# Altium PCB PCB1.PcbDoc (part 4 of 6) (continued)
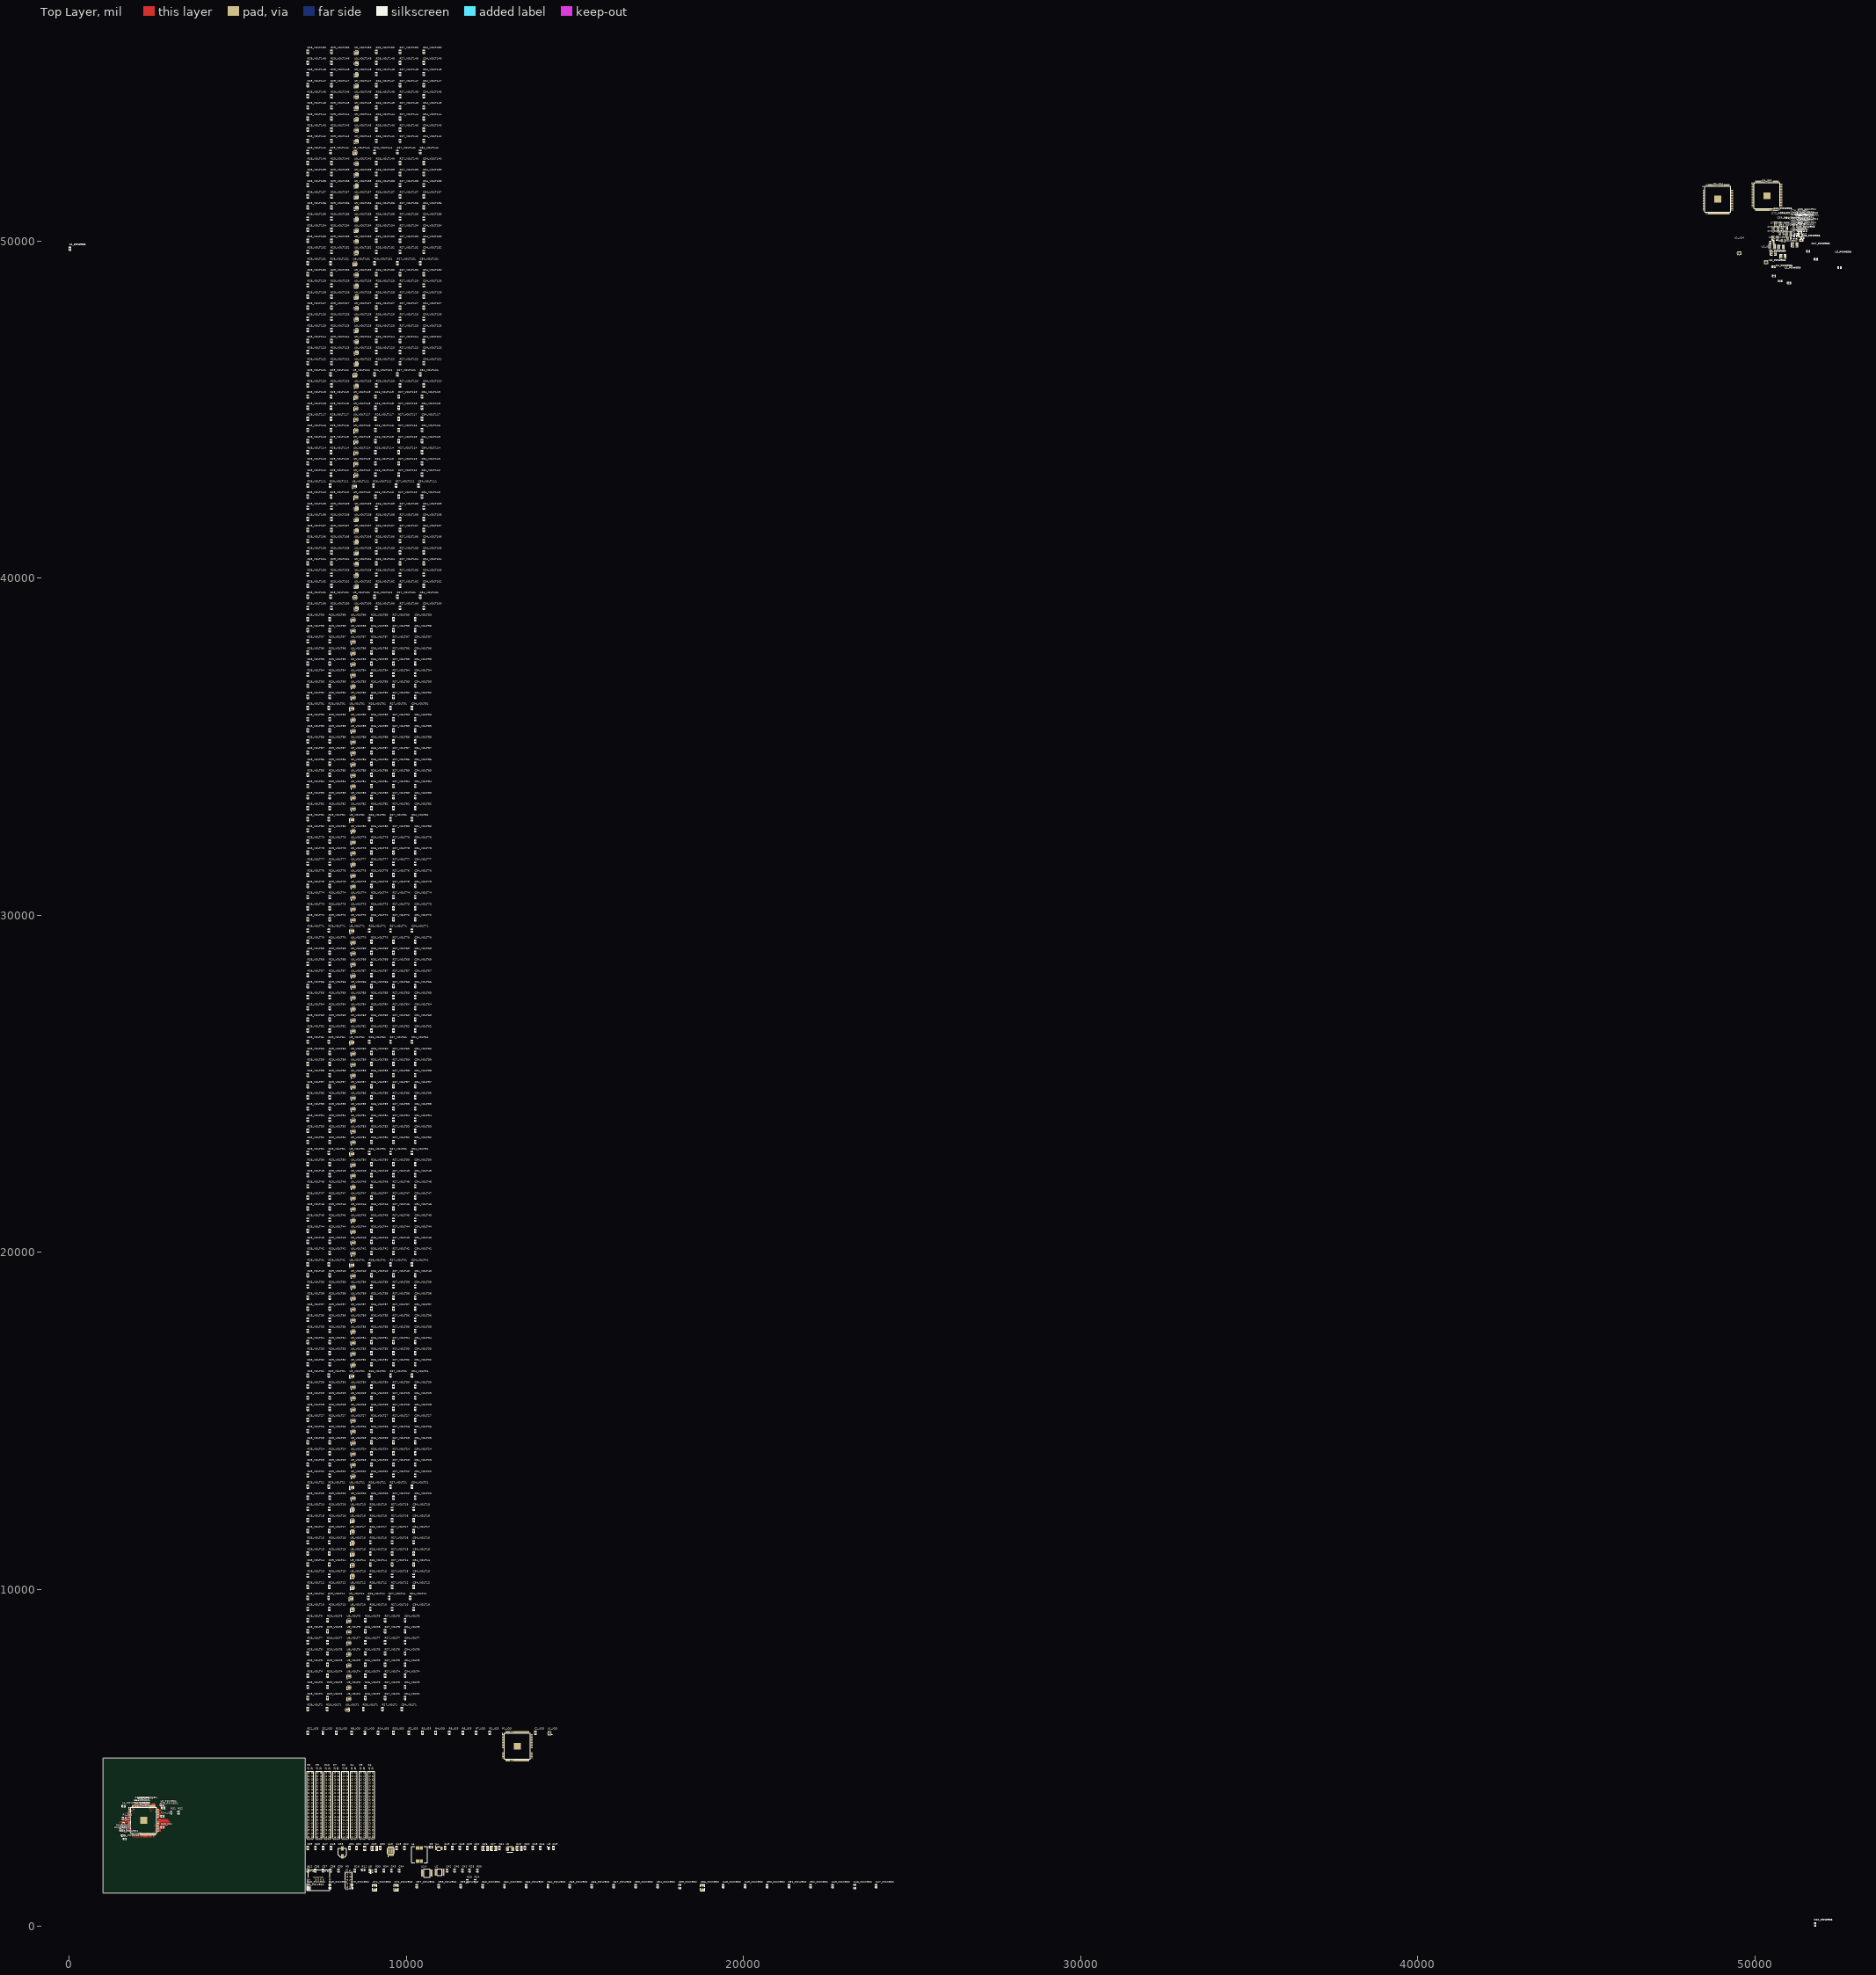
[diagram p0: Top Layer view]
## Part data (continued)
R14_IO1 R14_IO2 R14_IO3 R14_IO4 R20_IO1 R20_IO2 R20_IO3 R20_IO4: library part Res1, "Thick Film Resistors - SMD 1/10Watt 4.7Kohms 5% Commercial Use", Mfr="Vishay / Dale", Mfr Part No=CRCW06034K70JNEAC, Package=0603, Price=0.101, Stockiest=MOUSER, Stockiest Part No=71-CRCW06034K70JNEAC
R15: library part Res1, "Thick Film Resistors - SMD 0603 1% 604Kohm Anti-Sulfur AEC-Q200", Mfr=Panasonic, Mfr Part No=ERJ-U03F6043V, Package=0603, Price=0.221, Stockiest=MOUSER, Stockiest Part No=667-ERJ-U03F6043V
R16: library part Res1, "Thick Film Resistors - SMD 0603 0.25W 1% 20ohm AEC-Q200", Mfr=Panasonic, Mfr Part No=ERJ-UP3F20R0V, Package=0603, Price=0.262, Stockiest=MOUSER, Stockiest Part No=667-ERJ-UP3F20R0V
R17: library part Res1, "Thick Film Resistors - SMD 10K OHM 0.1% 25PPM", Mfr="KOA Speer", Mfr Part No=RS73F1JTTD1002B, Package=0603, Price=0.61, Stockiest=MOUSER, Stockiest Part No=660-RS73F1JTTD1002B
R18: library part Res1, "Thick Film Resistors - SMD 0603 Anti-Surge Res. 0.1%, 40.2Koh", Mfr=Panasonic, Mfr Part No=ERJ-PB3B4022V, Package=0603, Price=0.252, Stockiest=MOUSER, Stockiest Part No=667-ERJ-PB3B4022V
R19: library part Res1, "Thick Film Resistors - SMD 0603 Anti-Surge Res. 0.1%, 7.68Koh", Mfr=Panasonic, Mfr Part No=ERJ-PB3B7681V, Package=0603, Price=0.252, Stockiest=MOUSER, Stockiest Part No=667-ERJ-PB3B7681V
R27_VOLT1 R27_VOLT2 R27_VOLT3 R27_VOLT4 R27_VOLT5 R27_VOLT6 R27_VOLT7 R27_VOLT8 R27_VOLT9 R27_VOLT10 R27_VOLT11 R27_VOLT12 R27_VOLT13 R27_VOLT14 R27_VOLT15 R27_VOLT16 R27_VOLT17 R27_VOLT18 R27_VOLT19 R27_VOLT20 R27_VOLT21 R27_VOLT22 R27_VOLT23 R27_VOLT24 R27_VOLT25 R27_VOLT26 R27_VOLT27 R27_VOLT28 R27_VOLT29 R27_VOLT30 R27_VOLT31 R27_VOLT32 R27_VOLT33 R27_VOLT34 R27_VOLT35 R27_VOLT36 R27_VOLT37 R27_VOLT38 R27_VOLT39 R27_VOLT40 R27_VOLT41 R27_VOLT42 R27_VOLT43 R27_VOLT44 R27_VOLT45 R27_VOLT46 R27_VOLT47 R27_VOLT48 R27_VOLT49 R27_VOLT50 R27_VOLT51 R27_VOLT52 R27_VOLT53 R27_VOLT54 R27_VOLT55 R27_VOLT56 R27_VOLT57 R27_VOLT58 R27_VOLT59 R27_VOLT60 R27_VOLT61 R27_VOLT62 R27_VOLT63 R27_VOLT64 R27_VOLT65 R27_VOLT66 R27_VOLT67 R27_VOLT68 R27_VOLT69 R27_VOLT70 R27_VOLT71 R27_VOLT72 R27_VOLT73 R27_VOLT74 R27_VOLT75 R27_VOLT76 R27_VOLT77 R27_VOLT78 R27_VOLT79 R27_VOLT80 R27_VOLT81 R27_VOLT82 R27_VOLT83 R27_VOLT84 R27_VOLT85 R27_VOLT86 R27_VOLT87 R27_VOLT88 R27_VOLT89 R27_VOLT90 R27_VOLT91 R27_VOLT92 R27_VOLT93 R27_VOLT94 R27_VOLT95 R27_VOLT96 R27_VOLT97 R27_VOLT98 R27_VOLT99 R27_VOLT100 R27_VOLT101 R27_VOLT102 R27_VOLT103 R27_VOLT104 R27_VOLT105 R27_VOLT106 R27_VOLT107 R27_VOLT108 R27_VOLT109 R27_VOLT110 R27_VOLT111 R27_VOLT112 R27_VOLT113 R27_VOLT114 R27_VOLT115 R27_VOLT116 R27_VOLT117 R27_VOLT118 R27_VOLT119 R27_VOLT120 R27_VOLT121 R27_VOLT122 R27_VOLT123 R27_VOLT124 R27_VOLT125 R27_VOLT126 R27_VOLT127 R27_VOLT128 R27_VOLT129 R27_VOLT130 R27_VOLT131 R27_VOLT132 R27_VOLT133 R27_VOLT134 R27_VOLT135 R27_VOLT136 R27_VOLT137 R27_VOLT138 R27_VOLT139 R27_VOLT140 R27_VOLT141 R27_VOLT142 R27_VOLT143 R27_VOLT144 R27_VOLT145 R27_VOLT146 R27_VOLT147 R27_VOLT148 R27_VOLT149 R27_VOLT150 R29_VOLT1 R29_VOLT2 R29_VOLT3 R29_VOLT4 R29_VOLT5 R29_VOLT6 R29_VOLT7 R29_VOLT8 R29_VOLT9 R29_VOLT10 R29_VOLT11 R29_VOLT12 R29_VOLT13 R29_VOLT14 R29_VOLT15 R29_VOLT16 R29_VOLT17 R29_VOLT18 R29_VOLT19 R29_VOLT20 R29_VOLT21 R29_VOLT22 R29_VOLT23 R29_VOLT24 R29_VOLT25 R29_VOLT26 R29_VOLT27 R29_VOLT28 R29_VOLT29 R29_VOLT30 R29_VOLT31 R29_VOLT32 R29_VOLT33 R29_VOLT34 R29_VOLT35 R29_VOLT36 R29_VOLT37 R29_VOLT38 R29_VOLT39 R29_VOLT40 R29_VOLT41 R29_VOLT42 R29_VOLT43 R29_VOLT44 R29_VOLT45 R29_VOLT46 R29_VOLT47 R29_VOLT48 R29_VOLT49 R29_VOLT50 R29_VOLT51 R29_VOLT52 R29_VOLT53 R29_VOLT54 R29_VOLT55 R29_VOLT56 R29_VOLT57 R29_VOLT58 R29_VOLT59 R29_VOLT60 R29_VOLT61 R29_VOLT62 R29_VOLT63 R29_VOLT64 R29_VOLT65 R29_VOLT66 R29_VOLT67 R29_VOLT68 R29_VOLT69 R29_VOLT70 R29_VOLT71 R29_VOLT72 R29_VOLT73 R29_VOLT74 R29_VOLT75 R29_VOLT76 R29_VOLT77 R29_VOLT78 R29_VOLT79 R29_VOLT80 R29_VOLT81 R29_VOLT82 R29_VOLT83 R29_VOLT84 R29_VOLT85 R29_VOLT86 R29_VOLT87 R29_VOLT88 R29_VOLT89 R29_VOLT90 R29_VOLT91 R29_VOLT92 R29_VOLT93 R29_VOLT94 R29_VOLT95 R29_VOLT96 R29_VOLT97 R29_VOLT98 R29_VOLT99 R29_VOLT100 R29_VOLT101 R29_VOLT102 R29_VOLT103 R29_VOLT104 R29_VOLT105 R29_VOLT106 R29_VOLT107 R29_VOLT108 R29_VOLT109 R29_VOLT110 R29_VOLT111 R29_VOLT112 R29_VOLT113 R29_VOLT114 R29_VOLT115 R29_VOLT116 R29_VOLT117 R29_VOLT118 R29_VOLT119 R29_VOLT120 R29_VOLT121 R29_VOLT122 R29_VOLT123 R29_VOLT124 R29_VOLT125 R29_VOLT126 R29_VOLT127 R29_VOLT128 R29_VOLT129 R29_VOLT130 R29_VOLT131 R29_VOLT132 R29_VOLT133 R29_VOLT134 R29_VOLT135 R29_VOLT136 R29_VOLT137 R29_VOLT138 R29_VOLT139 R29_VOLT140 R29_VOLT141 R29_VOLT142 R29_VOLT143 R29_VOLT144 R29_VOLT145 R29_VOLT146 R29_VOLT147 R29_VOLT148 R29_VOLT149 R29_VOLT150: library part Res1, "Thick Film Resistors - SMD 1/10watt 160ohms 1%", Mfr="Vishay / Dale", Mfr Part No=CRCW0603160RFKEA, Package=0603, Price=0.1, Stockiest=MOUSER, Stockiest Part No=71-CRCW0603-160-E3
R45: library part Res1, "Thick Film Resistors - SMD High Precision Flat Chip Resistor 0.1%", Mfr="KOA Speer", Mfr Part No=RS73F1JTTD4123B, Package=0603, Price=0.8, Stockiest=MOUSER, Stockiest Part No=660-RS73F1JTTD4123B
R47: library part Res1, "Thick Film Resistors - SMD 0603 5.23Kohms 1% AEC-Q200", Mfr=Panasonic, Mfr Part No=ERJ-3EKF5231V, Package=0603, Price=0.101, Stockiest=MOUSER, Stockiest Part No=667-ERJ-3EKF5231V
R48: library part Res1, "Thick Film Resistors - SMD 0603 86.6Kohms 1% AEC-Q200", Mfr=Panasonic, Mfr Part No=ERJ-3EKF8662V, Package=0603, Price=0.101, Stockiest=MOUSER, Stockiest Part No=667-ERJ-3EKF8662V
U1_IO1 U1_IO2 U1_IO3 U1_IO4: library part CRYSTAL, "Standard Clock Oscillators 25.0 MHZ 3.3V 50PPM SMD 32", Mfr=ABRACON, Mfr Part No=ASE-25.000MHZ-LC-T, Price=1.42, Stockiest=MOUSER, Stockiest Part No=815-ASE25.000MHZLCT
U2: "RS-232 Interface IC 3-5.5V Mult-Ch RS232", Mfr="Texas Instruments", Mfr Part No=MAX3232CPWR, Price=0.94, Stockiest=MOUSER, Stockiest Part No=595-MAX3232CPWR
U3: "Switching Voltage Regulators High-Efficiency, 3A, 18V, 1200kHz, Synchronous, Step-Down Converter", Mfr="Monolithic Power Systems (MPS)", Mfr Part No=MP2333HGTL-P, Price=1.89, Stockiest=MOUSER, Stockiest Part No=946-MP2333HGTL-P
U4: "Digital Potentiometer ICs Sngl 8B NV I2C Rheo", Mfr="Microchip Technology", Mfr Part No=MCP4562T-503E/MS, Price=0.97, Stockiest=MOUSER, Stockiest Part No=579-MCP4562T-503E/MS
U8: "ESD Suppressors / TVS Diodes LOW CAP TVS ARRAY 5.5V", Mfr="ON SEMI", Mfr Part No=NUP4114HMR6T1G, Price=0.534, Stockiest=MOUSER, Stockiest Part No=863-NUP4114HMR6T1G
U9_VOLT1 U9_VOLT2 U9_VOLT3 U9_VOLT4 U9_VOLT5 U9_VOLT6 U9_VOLT7 U9_VOLT8 U9_VOLT9 U9_VOLT10 U9_VOLT11 U9_VOLT12 U9_VOLT13 U9_VOLT14 U9_VOLT15 U9_VOLT16 U9_VOLT17 U9_VOLT18 U9_VOLT19 U9_VOLT20 U9_VOLT21 U9_VOLT22 U9_VOLT23 U9_VOLT24 U9_VOLT25 U9_VOLT26 U9_VOLT27 U9_VOLT28 U9_VOLT29 U9_VOLT30 U9_VOLT31 U9_VOLT32 U9_VOLT33 U9_VOLT34 U9_VOLT35 U9_VOLT36 U9_VOLT37 U9_VOLT38 U9_VOLT39 U9_VOLT40 U9_VOLT41 U9_VOLT42 U9_VOLT43 U9_VOLT44 U9_VOLT45 U9_VOLT46 U9_VOLT47 U9_VOLT48 U9_VOLT49 U9_VOLT50 U9_VOLT51 U9_VOLT52 U9_VOLT53 U9_VOLT54 U9_VOLT55 U9_VOLT56 U9_VOLT57 U9_VOLT58 U9_VOLT59 U9_VOLT60 U9_VOLT61 U9_VOLT62 U9_VOLT63 U9_VOLT64 U9_VOLT65 U9_VOLT66 U9_VOLT67 U9_VOLT68 U9_VOLT69 U9_VOLT70 U9_VOLT71 U9_VOLT72 U9_VOLT73 U9_VOLT74 U9_VOLT75 U9_VOLT76 U9_VOLT77 U9_VOLT78 U9_VOLT79 U9_VOLT80 U9_VOLT81 U9_VOLT82 U9_VOLT83 U9_VOLT84 U9_VOLT85 U9_VOLT86 U9_VOLT87 U9_VOLT88 U9_VOLT89 U9_VOLT90 U9_VOLT91 U9_VOLT92 U9_VOLT93 U9_VOLT94 U9_VOLT95 U9_VOLT96 U9_VOLT97 U9_VOLT98 U9_VOLT99 U9_VOLT100 U9_VOLT101 U9_VOLT102 U9_VOLT103 U9_VOLT104 U9_VOLT105 U9_VOLT106 U9_VOLT107 U9_VOLT108 U9_VOLT109 U9_VOLT110 U9_VOLT111 U9_VOLT112 U9_VOLT113 U9_VOLT114 U9_VOLT115 U9_VOLT116 U9_VOLT117 U9_VOLT118 U9_VOLT119 U9_VOLT120 U9_VOLT121 U9_VOLT122 U9_VOLT123 U9_VOLT124 U9_VOLT125 U9_VOLT126 U9_VOLT127 U9_VOLT128 U9_VOLT129 U9_VOLT130 U9_VOLT131 U9_VOLT132 U9_VOLT133 U9_VOLT134 U9_VOLT135 U9_VOLT136 U9_VOLT137 U9_VOLT138 U9_VOLT139 U9_VOLT140 U9_VOLT141 U9_VOLT142 U9_VOLT143 U9_VOLT144 U9_VOLT145 U9_VOLT146 U9_VOLT147 U9_VOLT148 U9_VOLT149 U9_VOLT150: "Gate Drivers Dual 1.5A Low Side Gate Driver", Mfr="IXYS Integrated Circuits", Mfr Part No=IX4427MTR, Price=0.97, Stockiest=MOUSER, Stockiest Part No=849-IX4427MTR
U14: "Encoders, Decoders, Multiplexers & Demultiplexers 8-INPUT MULTIPLEXER", Mfr=NEXPERIA, Mfr Part No=74HC151DB,118, Price=0.887, Stockiest=MOUSER, Stockiest Part No=771-HC151DB118
U15: library part TPS61175PWP, "Switching Voltage Regulators 3A High Vltg Boost Converter", Mfr="Texas Instruments", Mfr Part No=TPS61175PWPR, Price=3.06, Stockiest=MOUSER, Stockiest Part No=595-TPS61175PWPR

## Via types
v1: diameter 24, hole 12, Top Layer to Bottom Layer, 66 vias

## Nets (pads, with @x,y where several pads share a name; then routed paths per layer and width w, separated by ;. In a path a pad name is that pad's centre, name@x,y a point inside that pad or via, vN(x,y) a via of type N, cw(c..) or ccw(c..) an arc to the next point about the centre after c; other vN are vias at no path point)
BANK_EN0: P1_IO4.17 U14.11
BANK_EN0_IO1: P1_IO1.17 | length 214.7
  Top Layer w7: 1579,3174 1691.8,3174 1699.57,3181.77 P1_IO1.17@1790.51,3181.77
BANK_EN0_IO2: P1_IO2.17
BANK_EN0_IO3: P1_IO3.17
BANK_EN1: P1_IO4.30 U14.10
BANK_EN1_IO1: P1_IO1.30 | length 77.2
  Top Layer w7: 1713.31,2925.87 P1_IO1.30@1790.51,2925.87
BANK_EN1_IO2: P1_IO2.30
BANK_EN1_IO3: P1_IO3.30
BANK_EN2: P1_IO4.48 U14.9
BANK_EN2_IO1: P1_IO1.48 | length 77.2
  Top Layer w7: 2085.31,2652.28 P1_IO1.48@2085.31,2729.49
BANK_EN2_IO2: P1_IO2.48
BANK_EN2_IO3: P1_IO3.48
C1+: C40.2 U2.1
C1-: C40.1 U2.3
C2+: C43.2 U2.4
C2-: C43.1 U2.5
CMD_INT: J1.3 P1_IO1.61 P1_IO2.61 P1_IO3.61 P1_IO4.61 | length 73.3
  Top Layer w7: P1_IO1.61@2341.22,2729.49 v1(2341.22,2802.78)
CMD_RX: P1_IO1.98 P1_IO2.98 P1_IO3.98 P1_IO4.98 U2.9 | length 77.2
  Top Layer w7: P1_IO1.98@2636.02,3299.88 2713.23,3299.88
CMD_TX: U2.10 U14.5
CMD_TX5: U14.15
CMD_TX6: U14.14
CMD_TX7: U14.13
CMD_TX8: U14.12
CMD_TX_IO1: P1_IO1.96 U14.1 | length 77.2
  Top Layer w7: P1_IO1.96@2636.02,3260.51 2713.23,3260.51
CMD_TX_IO2: P1_IO2.96 U14.2
CMD_TX_IO3: P1_IO3.96 U14.3
CMD_TX_IO4: P1_IO4.96 U14.4
FB: R9.2 R45.2 U15.9
GND: C1_IO1.1 C1_IO2.1 C1_IO3.1 C1_IO4.1 C8_POWER1.2 C8_POWER2.2 C8_POWER3.2 C8_POWER4.2 C9_POWER1.2 C9_POWER2.2 C9_POWER3.2 C9_POWER4.2 C14_POWER1.2 C14_POWER2.2 C14_POWER3.2 C14_POWER4.2 C15_POWER1.2 C15_POWER2.2 C15_POWER3.2 C15_POWER4.2 C16_POWER1.2 C16_POWER2.2 C16_POWER3.2 C16_POWER4.2 C19.1 C20.1 C21.1 C22.1 C26.1 C27.1 C28.1 C29.1 C30.1 C31.1 C32.1 C33.2 C34_VOLT1.2 C34_VOLT2.2 C34_VOLT3.2 C34_VOLT4.2 C34_VOLT5.2 C34_VOLT6.2 C34_VOLT7.2 C34_VOLT8.2 C34_VOLT9.2 C34_VOLT10.2 C34_VOLT11.2 C34_VOLT12.2 C34_VOLT13.2 C34_VOLT14.2 C34_VOLT15.2 C34_VOLT16.2 C34_VOLT17.2 C34_VOLT18.2 C34_VOLT19.2 C34_VOLT20.2 C34_VOLT21.2 C34_VOLT22.2 C34_VOLT23.2 C34_VOLT24.2 C34_VOLT25.2 C34_VOLT26.2 C34_VOLT27.2 C34_VOLT28.2 C34_VOLT29.2 C34_VOLT30.2 C34_VOLT31.2 C34_VOLT32.2 C34_VOLT33.2 C34_VOLT34.2 C34_VOLT35.2 C34_VOLT36.2 C34_VOLT37.2 C34_VOLT38.2 C34_VOLT39.2 C34_VOLT40.2 C34_VOLT41.2 C34_VOLT42.2 C34_VOLT43.2 C34_VOLT44.2 C34_VOLT45.2 C34_VOLT46.2 C34_VOLT47.2 C34_VOLT48.2 C34_VOLT49.2 C34_VOLT50.2 C34_VOLT51.2 C34_VOLT52.2 C34_VOLT53.2 C34_VOLT54.2 C34_VOLT55.2 C34_VOLT56.2 C34_VOLT57.2 C34_VOLT58.2 C34_VOLT59.2 C34_VOLT60.2 C34_VOLT61.2 C34_VOLT62.2 C34_VOLT63.2 C34_VOLT64.2 C34_VOLT65.2 C34_VOLT66.2 C34_VOLT67.2 C34_VOLT68.2 C34_VOLT69.2 C34_VOLT70.2 C34_VOLT71.2 C34_VOLT72.2 C34_VOLT73.2 C34_VOLT74.2 C34_VOLT75.2 C34_VOLT76.2 C34_VOLT77.2 C34_VOLT78.2 C34_VOLT79.2 C34_VOLT80.2 C34_VOLT81.2 C34_VOLT82.2 C34_VOLT83.2 C34_VOLT84.2 C34_VOLT85.2 C34_VOLT86.2 C34_VOLT87.2 C34_VOLT88.2 C34_VOLT89.2 C34_VOLT90.2 C34_VOLT91.2 C34_VOLT92.2 C34_VOLT93.2 C34_VOLT94.2 C34_VOLT95.2 C34_VOLT96.2 C34_VOLT97.2 C34_VOLT98.2 C34_VOLT99.2 C34_VOLT100.2 C34_VOLT101.2 C34_VOLT102.2 C34_VOLT103.2 C34_VOLT104.2 C34_VOLT105.2 C34_VOLT106.2 C34_VOLT107.2 C34_VOLT108.2 C34_VOLT109.2 C34_VOLT110.2 C34_VOLT111.2 C34_VOLT112.2 C34_VOLT113.2 C34_VOLT114.2 C34_VOLT115.2 C34_VOLT116.2 C34_VOLT117.2 C34_VOLT118.2 C34_VOLT119.2 C34_VOLT120.2 C34_VOLT121.2 C34_VOLT122.2 C34_VOLT123.2 C34_VOLT124.2 C34_VOLT125.2 C34_VOLT126.2 C34_VOLT127.2 C34_VOLT128.2 C34_VOLT129.2 C34_VOLT130.2 C34_VOLT131.2 C34_VOLT132.2 C34_VOLT133.2 C34_VOLT134.2 C34_VOLT135.2 C34_VOLT136.2 C34_VOLT137.2 C34_VOLT138.2 C34_VOLT139.2 C34_VOLT140.2 C34_VOLT141.2 C34_VOLT142.2 C34_VOLT143.2 C34_VOLT144.2 C34_VOLT145.2 C34_VOLT146.2 C34_VOLT147.2 C34_VOLT148.2 C34_VOLT149.2 C34_VOLT150.2 C35.1 C36.1 C37.1 C38.1 C39.1 C41.1 C42.1 C44.1 C48_POWER1.2 C48_POWER2.2 C48_POWER3.2 C48_POWER4.2 C49_POWER1.2 C49_POWER2.2 C49_POWER3.2 C49_POWER4.2 C50_POWER1.2 C50_POWER2.2 C50_POWER3.2 C50_POWER4.2 C51_POWER1.2 C51_POWER2.2 C51_POWER3.2 C51_POWER4.2 C52_POWER1.2 C52_POWER2.2 C52_POWER3.2 C52_POWER4.2 C53_POWER1.2 C53_POWER2.2 C53_POWER3.2 C53_POWER4.2 C54_POWER1.2 C54_POWER2.2 C54_POWER3.2 C54_POWER4.2 C55_POWER1.1 C55_POWER2.1 C55_POWER3.1 C55_POWER4.1 C56_POWER1.1 C56_POWER2.1 C56_POWER3.1 C56_POWER4.1 C57_POWER1.2 C57_POWER2.2 C57_POWER3.2 C57_POWER4.2 C58_POWER1.2 C58_POWER2.2 C58_POWER3.2 C58_POWER4.2 C59_POWER1.2 C59_POWER2.2 C59_POWER3.2 C59_POWER4.2 C60_POWER1.2 C60_POWER2.2 C60_POWER3.2 C60_POWER4.2 C61_POWER1.2 C61_POWER2.2 C61_POWER3.2 C61_POWER4.2 C62_POWER1.2 C62_POWER2.2 C62_POWER3.2 C62_POWER4.2 C63.1 C64_POWER1.2 C64_POWER2.2 C64_POWER3.2 C64_POWER4.2 C65_POWER1.2 C65_POWER2.2 C65_POWER3.2 C65_POWER4.2 C66_POWER1.2 C66_POWER2.2 C66_POWER3.2 C66_POWER4.2 C67_POWER1.2 C67_POWER2.2 C67_POWER3.2 C67_POWER4.2 C68_POWER1.2 C68_POWER2.2 C68_POWER3.2 C68_POWER4.2 C69_POWER1.1 C69_POWER2.1 C69_POWER3.1 C69_POWER4.1 C70_POWER1.1 C70_POWER2.1 C70_POWER3.1 C70_POWER4.1 C71_POWER1.1 C71_POWER2.1 C71_POWER3.1 C71_POWER4.1 C72_POWER1.1 C72_POWER2.1 C72_POWER3.1 C72_POWER4.1 D1_IO1.2 D1_IO2.2 D1_IO3.2 D1_IO4.2 D2_IO1.2 D2_IO2.2 D2_IO3.2 D2_IO4.2 J1.4 J1.5 J1.6 P1_IO1.3 P1_IO1.4 P1_IO1.42 P1_IO1.53 P1_IO1.63 P1_IO1.68 P1_IO1.83 P1_IO1.95 P1_IO1.104 P1_IO1.116 P1_IO1.125 P1_IO1.133 P1_IO1.137 P1_IO1.142 P1_IO2.3 P1_IO2.4 P1_IO2.42 P1_IO2.53 P1_IO2.63 P1_IO2.68 P1_IO2.83 P1_IO2.95 P1_IO2.104 P1_IO2.116 P1_IO2.125 P1_IO2.133 P1_IO2.137 P1_IO2.142 P1_IO3.3 P1_IO3.4 P1_IO3.42 P1_IO3.53 P1_IO3.63 P1_IO3.68 P1_IO3.83 P1_IO3.95 P1_IO3.104 P1_IO3.116 P1_IO3.125 P1_IO3.133 P1_IO3.137 P1_IO3.142 P1_IO4.3 P1_IO4.4 P1_IO4.42 P1_IO4.53 P1_IO4.63 P1_IO4.68 P1_IO4.83 P1_IO4.95 P1_IO4.104 P1_IO4.116 P1_IO4.125 P1_IO4.133 P1_IO4.137 P1_IO4.142 P3.2 P3.10 R12.1 R13_IO1.1 R13_IO2.1 R13_IO3.1 R13_IO4.1 R19.2 R23.2 R24.2 R25.2 R32.2 R48.1 U1_IO1.2 U1_IO2.2 U1_IO3.2 U1_IO4.2 U2.15 U3.4 U4.1 U4.4 U4.5 U8.2 U9_VOLT1.3 U9_VOLT1.9 U9_VOLT2.3 U9_VOLT2.9 U9_VOLT3.3 U9_VOLT3.9 U9_VOLT4.3 U9_VOLT4.9 U9_VOLT5.3 U9_VOLT5.9 U9_VOLT6.3 U9_VOLT6.9 U9_VOLT7.3 U9_VOLT7.9 U9_VOLT8.3 U9_VOLT8.9 U9_VOLT9.3 U9_VOLT9.9 U9_VOLT10.3 U9_VOLT10.9 U9_VOLT11.3 U9_VOLT11.9 U9_VOLT12.3 U9_VOLT12.9 U9_VOLT13.3 U9_VOLT13.9 U9_VOLT14.3 U9_VOLT14.9 U9_VOLT15.3 U9_VOLT15.9 U9_VOLT16.3 U9_VOLT16.9 U9_VOLT17.3 U9_VOLT17.9 U9_VOLT18.3 U9_VOLT18.9 U9_VOLT19.3 U9_VOLT19.9 U9_VOLT20.3 U9_VOLT20.9 U9_VOLT21.3 U9_VOLT21.9 U9_VOLT22.3 U9_VOLT22.9 U9_VOLT23.3 U9_VOLT23.9 U9_VOLT24.3 U9_VOLT24.9 U9_VOLT25.3 U9_VOLT25.9 U9_VOLT26.3 U9_VOLT26.9 U9_VOLT27.3 U9_VOLT27.9 U9_VOLT28.3 U9_VOLT28.9 U9_VOLT29.3 U9_VOLT29.9 U9_VOLT30.3 U9_VOLT30.9 U9_VOLT31.3 U9_VOLT31.9 U9_VOLT32.3 U9_VOLT32.9 U9_VOLT33.3 U9_VOLT33.9 U9_VOLT34.3 U9_VOLT34.9 U9_VOLT35.3 U9_VOLT35.9 U9_VOLT36.3 U9_VOLT36.9 U9_VOLT37.3 U9_VOLT37.9 U9_VOLT38.3 U9_VOLT38.9 U9_VOLT39.3 U9_VOLT39.9 U9_VOLT40.3 U9_VOLT40.9 U9_VOLT41.3 U9_VOLT41.9 U9_VOLT42.3 U9_VOLT42.9 U9_VOLT43.3 U9_VOLT43.9 U9_VOLT44.3 U9_VOLT44.9 U9_VOLT45.3 U9_VOLT45.9 U9_VOLT46.3 U9_VOLT46.9 U9_VOLT47.3 U9_VOLT47.9 U9_VOLT48.3 U9_VOLT48.9 U9_VOLT49.3 U9_VOLT49.9 U9_VOLT50.3 U9_VOLT50.9 U9_VOLT51.3 U9_VOLT51.9 U9_VOLT52.3 U9_VOLT52.9 U9_VOLT53.3 U9_VOLT53.9 U9_VOLT54.3 U9_VOLT54.9 U9_VOLT55.3 U9_VOLT55.9 U9_VOLT56.3 U9_VOLT56.9 U9_VOLT57.3 U9_VOLT57.9 U9_VOLT58.3 U9_VOLT58.9 U9_VOLT59.3 U9_VOLT59.9 U9_VOLT60.3 U9_VOLT60.9 U9_VOLT61.3 U9_VOLT61.9 U9_VOLT62.3 U9_VOLT62.9 U9_VOLT63.3 U9_VOLT63.9 U9_VOLT64.3 U9_VOLT64.9 U9_VOLT65.3 U9_VOLT65.9 U9_VOLT66.3 U9_VOLT66.9 U9_VOLT67.3 U9_VOLT67.9 U9_VOLT68.3 U9_VOLT68.9 U9_VOLT69.3 U9_VOLT69.9 U9_VOLT70.3 U9_VOLT70.9 U9_VOLT71.3 U9_VOLT71.9 U9_VOLT72.3 U9_VOLT72.9 U9_VOLT73.3 U9_VOLT73.9 U9_VOLT74.3 U9_VOLT74.9 U9_VOLT75.3 U9_VOLT75.9 U9_VOLT76.3 U9_VOLT76.9 U9_VOLT77.3 U9_VOLT77.9 U9_VOLT78.3 U9_VOLT78.9 U9_VOLT79.3 U9_VOLT79.9 U9_VOLT80.3 U9_VOLT80.9 U9_VOLT81.3 U9_VOLT81.9 U9_VOLT82.3 U9_VOLT82.9 U9_VOLT83.3 U9_VOLT83.9 U9_VOLT84.3 U9_VOLT84.9 U9_VOLT85.3 U9_VOLT85.9 U9_VOLT86.3 U9_VOLT86.9 U9_VOLT87.3 U9_VOLT87.9 U9_VOLT88.3 U9_VOLT88.9 U9_VOLT89.3 U9_VOLT89.9 U9_VOLT90.3 U9_VOLT90.9 U9_VOLT91.3 U9_VOLT91.9 U9_VOLT92.3 U9_VOLT92.9 U9_VOLT93.3 U9_VOLT93.9 U9_VOLT94.3 U9_VOLT94.9 U9_VOLT95.3 U9_VOLT95.9 U9_VOLT96.3 U9_VOLT96.9 U9_VOLT97.3 U9_VOLT97.9 U9_VOLT98.3 U9_VOLT98.9 U9_VOLT99.3 U9_VOLT99.9 U9_VOLT100.3 U9_VOLT100.9 U9_VOLT101.3 U9_VOLT101.9 U9_VOLT102.3 U9_VOLT102.9 U9_VOLT103.3 U9_VOLT103.9 U9_VOLT104.3 U9_VOLT104.9 U9_VOLT105.3 U9_VOLT105.9 U9_VOLT106.3 U9_VOLT106.9 U9_VOLT107.3 U9_VOLT107.9 U9_VOLT108.3 U9_VOLT108.9 U9_VOLT109.3 U9_VOLT109.9 U9_VOLT110.3 U9_VOLT110.9 U9_VOLT111.3 U9_VOLT111.9 U9_VOLT112.3 U9_VOLT112.9 U9_VOLT113.3 U9_VOLT113.9 U9_VOLT114.3 U9_VOLT114.9 U9_VOLT115.3 U9_VOLT115.9 U9_VOLT116.3 U9_VOLT116.9 U9_VOLT117.3 U9_VOLT117.9 U9_VOLT118.3 U9_VOLT118.9 U9_VOLT119.3 U9_VOLT119.9 U9_VOLT120.3 U9_VOLT120.9 U9_VOLT121.3 U9_VOLT121.9 U9_VOLT122.3 U9_VOLT122.9 U9_VOLT123.3 U9_VOLT123.9 U9_VOLT124.3 U9_VOLT124.9 U9_VOLT125.3 U9_VOLT125.9 U9_VOLT126.3 U9_VOLT126.9 U9_VOLT127.3 U9_VOLT127.9 U9_VOLT128.3 U9_VOLT128.9 U9_VOLT129.3 U9_VOLT129.9 U9_VOLT130.3 U9_VOLT130.9 U9_VOLT131.3 U9_VOLT131.9 U9_VOLT132.3 U9_VOLT132.9 U9_VOLT133.3 U9_VOLT133.9 U9_VOLT134.3 U9_VOLT134.9 U9_VOLT135.3 U9_VOLT135.9 U9_VOLT136.3 U9_VOLT136.9 U9_VOLT137.3 U9_VOLT137.9 U9_VOLT138.3 U9_VOLT138.9 U9_VOLT139.3 U9_VOLT139.9 U9_VOLT140.3 U9_VOLT140.9 U9_VOLT141.3 U9_VOLT141.9 U9_VOLT142.3 U9_VOLT142.9 U9_VOLT143.3 U9_VOLT143.9 U9_VOLT144.3 U9_VOLT144.9 U9_VOLT145.3 U9_VOLT145.9 U9_VOLT146.3 U9_VOLT146.9 U9_VOLT147.3 U9_VOLT147.9 U9_VOLT148.3 U9_VOLT148.9 U9_VOLT149.3 U9_VOLT149.9 U9_VOLT150.3 U9_VOLT150.9 U14.8 U15.6 U15.7 U15.11 U15.12 U15.13 U15.14 U15.15 | length 1162.6
  Top Layer w10: 1790.51,3447.52 1885.52,3447.52 v1(1906,3468) ; P1_IO1.142@1908.15,3575 1907.24,3574.09 1907.24,3546.22 1906.8,3545.78 1906.8,3540.14 1914,3532.94 1914,3479.79 ; P1_IO1.42@1967.2,2729.49 v1(1967.2,2778.44) ; v1(2006.57,3526.05) P1_IO1.137@2006.57,3575 ; v1(2085.31,3526.05) P1_IO1.133@2085.31,3575 ; P1_IO1.53@2183.74,2729.49 v1(2183.74,2778.44) ; v1(2242.8,3526.05) P1_IO1.125@2242.8,3575 ; P1_IO1.63@2380.59,2729.49 v1(2380.59,2778.44) ; P1_IO1.116@2419.96,3575 2419.96,3443.04 v1(2435,3428) ; P1_IO1.68@2479.02,2729.49 2479.02,2796.02 v1(2480,2797) ; v1(2502,3004) 2498.72,3004 2499.02,3004.3 2635.72,3004.3 P1_IO1.83@2636.02,3004.61 ; v1(2553.46,3416.38) 2555.07,3417.99 P1_IO1.104@2636.02,3417.99 ; v1(2555,3238) 2558.79,3238 2561.62,3240.83 P1_IO1.95@2636.02,3240.83
  Bottom Layer w10: 1900,3484.88 1902.72,3484.88 1917.56,3470.04 1917.56,3430 ; C9_POWER1.2@1925,2870 1925.12,2869.88 1925.12,2815
  other v1: 2527.51,2813.12 1520,2830 1522,2933 1949,2962 1552,2985 1920,3361 2880,3481 2878.1,3566.5 2206,3756
GPIO_0_IO1: P1_IO1.6 P1_IO2.6 | length 77.2
  Top Layer w10: 1713.31,3398.31 P1_IO1.6@1790.51,3398.31
GPIO_0_IO3: P1_IO3.6 P1_IO4.6
GPIO_1_IO1: P1_IO1.7 P1_IO2.7 | length 77.2
  Top Layer w10: 1713.31,3378.62 P1_IO1.7@1790.51,3378.62
GPIO_1_IO3: P1_IO3.7 P1_IO4.7
GPIO_2_IO1: P1_IO1.8 P1_IO2.8 | length 77.2
  Top Layer w10: 1713.31,3358.94 P1_IO1.8@1790.51,3358.94
GPIO_2_IO3: P1_IO3.8 P1_IO4.8
GPIO_3_IO1: P1_IO1.10 P1_IO2.10 | length 77.2
  Top Layer w7: 1713.31,3319.57 P1_IO1.10@1790.51,3319.57
GPIO_3_IO3: P1_IO3.10 P1_IO4.10
GPIO_4_IO1: P1_IO1.11 P1_IO2.11 | length 77.2
  Top Layer w7: 1713.31,3299.88 P1_IO1.11@1790.51,3299.88
GPIO_4_IO3: P1_IO3.11 P1_IO4.11
GPIO_5_IO1: P1_IO1.12 P1_IO2.12 | length 77.2
  Top Layer w7: 1713.31,3280.2 P1_IO1.12@1790.51,3280.2
GPIO_5_IO3: P1_IO3.12 P1_IO4.12
GPIO_6_IO1: P1_IO1.13 P1_IO2.13 | length 77.2
  Top Layer w7: 1713.31,3260.51 P1_IO1.13@1790.51,3260.51
GPIO_6_IO3: P1_IO3.13 P1_IO4.13
GPIO_7_IO1: P1_IO1.14 P1_IO2.14 | length 77.2
  Top Layer w7: 1713.31,3240.83 P1_IO1.14@1790.51,3240.83
GPIO_7_IO3: P1_IO3.14 P1_IO4.14
GPIO_8_IO1: P1_IO1.21 P1_IO2.21 | length 305.5
  Top Layer w7: 1507,3080 1545,3118 1668,3118 1682.97,3103.03 P1_IO1.21@1790.51,3103.03
GPIO_8_IO3: P1_IO3.21 P1_IO4.21
GPIO_9_IO1: P1_IO1.22 P1_IO2.22 | length 77.2
  Top Layer w7: 1713.31,3083.35 P1_IO1.22@1790.51,3083.35
GPIO_9_IO3: P1_IO3.22 P1_IO4.22
GPIO_10_IO1: P1_IO1.24 P1_IO2.24 | length 77.2
  Top Layer w7: 1713.31,3043.98 P1_IO1.24@1790.51,3043.98
GPIO_10_IO3: P1_IO3.24 P1_IO4.24
GPIO_11_IO1: P1_IO1.25 P1_IO2.25 | length 77.2
  Top Layer w7: 1713.31,3024.29 P1_IO1.25@1790.51,3024.29
GPIO_11_IO3: P1_IO3.25 P1_IO4.25
GPIO_12_IO1: P1_IO1.38 P1_IO2.38 | length 77.2
  Top Layer w7: 1888.46,2652.28 P1_IO1.38@1888.46,2729.49
GPIO_12_IO3: P1_IO3.38 P1_IO4.38
GPIO_13_IO1: P1_IO1.39 P1_IO2.39 | length 77.2
  Top Layer w7: 1908.15,2652.28 P1_IO1.39@1908.15,2729.49
GPIO_13_IO3: P1_IO3.39 P1_IO4.39
GPIO_14_IO1: P1_IO1.41 P1_IO2.41 | length 77.2
  Top Layer w7: 1947.52,2652.28 P1_IO1.41@1947.52,2729.49
GPIO_14_IO3: P1_IO3.41 P1_IO4.41
GPIO_15_IO1: P1_IO1.43 P1_IO2.43 | length 77.2
  Top Layer w7: 1986.89,2652.28 P1_IO1.43@1986.89,2729.49
GPIO_15_IO3: P1_IO3.43 P1_IO4.43
GPIO_16_IO1: P1_IO1.44 P1_IO2.44 | length 77.2
  Top Layer w7: 2006.57,2652.28 P1_IO1.44@2006.57,2729.49
GPIO_16_IO3: P1_IO3.44 P1_IO4.44
GPIO_17_IO1: P1_IO1.45 P1_IO2.45 | length 77.2
  Top Layer w7: 2026.26,2652.28 P1_IO1.45@2026.26,2729.49
GPIO_17_IO3: P1_IO3.45 P1_IO4.45
GPIO_18_IO1: P1_IO1.46 P1_IO2.46 | length 77.2
  Top Layer w7: 2045.94,2652.28 P1_IO1.46@2045.94,2729.49
GPIO_18_IO3: P1_IO3.46 P1_IO4.46
GPIO_19_IO1: P1_IO1.47 P1_IO2.47 | length 77.2
  Top Layer w7: 2065.63,2652.28 P1_IO1.47@2065.63,2729.49
GPIO_19_IO3: P1_IO3.47 P1_IO4.47
GPIO_20_IO1: P1_IO1.50 P1_IO2.50 | length 77.2
  Top Layer w7: 2124.68,2652.28 P1_IO1.50@2124.68,2729.49
GPIO_20_IO3: P1_IO3.50 P1_IO4.50
GPIO_21_IO1: P1_IO1.52 P1_IO2.52 | length 77.2
  Top Layer w7: 2164.06,2652.28 P1_IO1.52@2164.06,2729.49
GPIO_21_IO3: P1_IO3.52 P1_IO4.52
GPIO_22_IO1: P1_IO1.54 P1_IO2.54 | length 77.2
  Top Layer w7: 2203.43,2652.28 P1_IO1.54@2203.43,2729.49
GPIO_22_IO3: P1_IO3.54 P1_IO4.54
GPIO_23_IO1: P1_IO1.55 P1_IO2.55 | length 77.2
  Top Layer w7: 2223.11,2652.28 P1_IO1.55@2223.11,2729.49
GPIO_23_IO3: P1_IO3.55 P1_IO4.55
GPIO_24_IO1: P1_IO1.56 P1_IO2.56 | length 77.2
  Top Layer w7: 2242.8,2652.28 P1_IO1.56@2242.8,2729.49
GPIO_24_IO3: P1_IO3.56 P1_IO4.56
GPIO_25_IO1: P1_IO1.57 P1_IO2.57 | length 77.2
  Top Layer w7: 2262.48,2652.28 P1_IO1.57@2262.48,2729.49
GPIO_25_IO3: P1_IO3.57 P1_IO4.57
GPIO_26_IO1: P1_IO1.58 P1_IO2.58 | length 77.2
  Top Layer w7: 2282.17,2652.28 P1_IO1.58@2282.17,2729.49
GPIO_26_IO3: P1_IO3.58 P1_IO4.58
GPIO_27_IO1: P1_IO1.59 P1_IO2.59 | length 77.2
  Top Layer w7: 2301.85,2652.28 P1_IO1.59@2301.85,2729.49
GPIO_27_IO3: P1_IO3.59 P1_IO4.59
GPIO_28_IO1: P1_IO1.60 P1_IO2.60 | length 77.2
  Top Layer w7: 2321.54,2652.28 P1_IO1.60@2321.54,2729.49
GPIO_28_IO3: P1_IO3.60 P1_IO4.60
GPIO_29_IO1: P1_IO1.62 P1_IO2.62 | length 77.2
  Top Layer w7: 2360.91,2652.28 P1_IO1.62@2360.91,2729.49
GPIO_29_IO3: P1_IO3.62 P1_IO4.62
GPIO_30_IO1: P1_IO1.64 P1_IO2.64 | length 77.2
  Top Layer w7: 2400.28,2652.28 P1_IO1.64@2400.28,2729.49
GPIO_30_IO3: P1_IO3.64 P1_IO4.64
GPIO_31_IO1: P1_IO1.65 P1_IO2.65 | length 77.2
  Top Layer w7: 2419.96,2652.28 P1_IO1.65@2419.96,2729.49
GPIO_31_IO3: P1_IO3.65 P1_IO4.65
GPIO_32_IO1: P1_IO1.66 P1_IO2.66 | length 77.2
  Top Layer w7: 2439.65,2652.28 P1_IO1.66@2439.65,2729.49
GPIO_32_IO3: P1_IO3.66 P1_IO4.66
GPIO_33_IO1: P1_IO1.69 P1_IO2.69 | length 77.2
  Top Layer w7: 2498.7,2652.28 P1_IO1.69@2498.7,2729.49
GPIO_33_IO3: P1_IO3.69 P1_IO4.69
GPIO_34_IO1: P1_IO1.70 P1_IO2.70 | length 77.2
  Top Layer w7: 2518.39,2652.28 P1_IO1.70@2518.39,2729.49
GPIO_34_IO3: P1_IO3.70 P1_IO4.70
GPIO_35_IO1: P1_IO1.75 P1_IO2.75 | length 77.2
  Top Layer w7: P1_IO1.75@2636.02,2847.13 2713.23,2847.13
GPIO_35_IO3: P1_IO3.75 P1_IO4.75
GPIO_36_IO1: P1_IO1.74 P1_IO2.74 | length 77.2
  Top Layer w7: P1_IO1.74@2636.02,2827.44 2713.23,2827.44
GPIO_36_IO3: P1_IO3.74 P1_IO4.74
GPIO_37_IO1: P1_IO1.77 P1_IO2.77 | length 77.2
  Top Layer w7: P1_IO1.77@2636.02,2886.5 2713.23,2886.5
GPIO_37_IO3: P1_IO3.77 P1_IO4.77
GPIO_38_IO1: P1_IO1.76 P1_IO2.76 | length 77.2
  Top Layer w7: P1_IO1.76@2636.02,2866.81 2713.23,2866.81
GPIO_38_IO3: P1_IO3.76 P1_IO4.76
GPIO_39_IO1: P1_IO1.79 P1_IO2.79 | length 77.2
  Top Layer w7: P1_IO1.79@2636.02,2925.87 2713.23,2925.87
GPIO_39_IO3: P1_IO3.79 P1_IO4.79
GPIO_40_IO1: P1_IO1.78 P1_IO2.78 | length 77.2
  Top Layer w7: P1_IO1.78@2636.02,2906.18 2713.23,2906.18
GPIO_40_IO3: P1_IO3.78 P1_IO4.78
GPIO_41_IO1: P1_IO1.81 P1_IO2.81 | length 228.7
  Top Layer w7: P1_IO1.81@2636.02,2965.24 2700.24,2965.24 2731,2996 2818,2996 2842,2972
GPIO_41_IO3: P1_IO3.81 P1_IO4.81
GPIO_42_IO1: P1_IO1.85 P1_IO2.85 | length 274.5
  Top Layer w7: P1_IO1.85@2636.02,3043.98 2833.86,3043.98 2888.05,2989.79
GPIO_42_IO3: P1_IO3.85 P1_IO4.85
GPIO_43_IO1: P1_IO1.87 P1_IO2.87 | length 307.1
  Top Layer w7: P1_IO1.87@2636.02,3083.35 2850.17,3083.35 2915.89,3017.63
GPIO_43_IO3: P1_IO3.87 P1_IO4.87